# Altium PCB PCB.PcbDoc (continued)
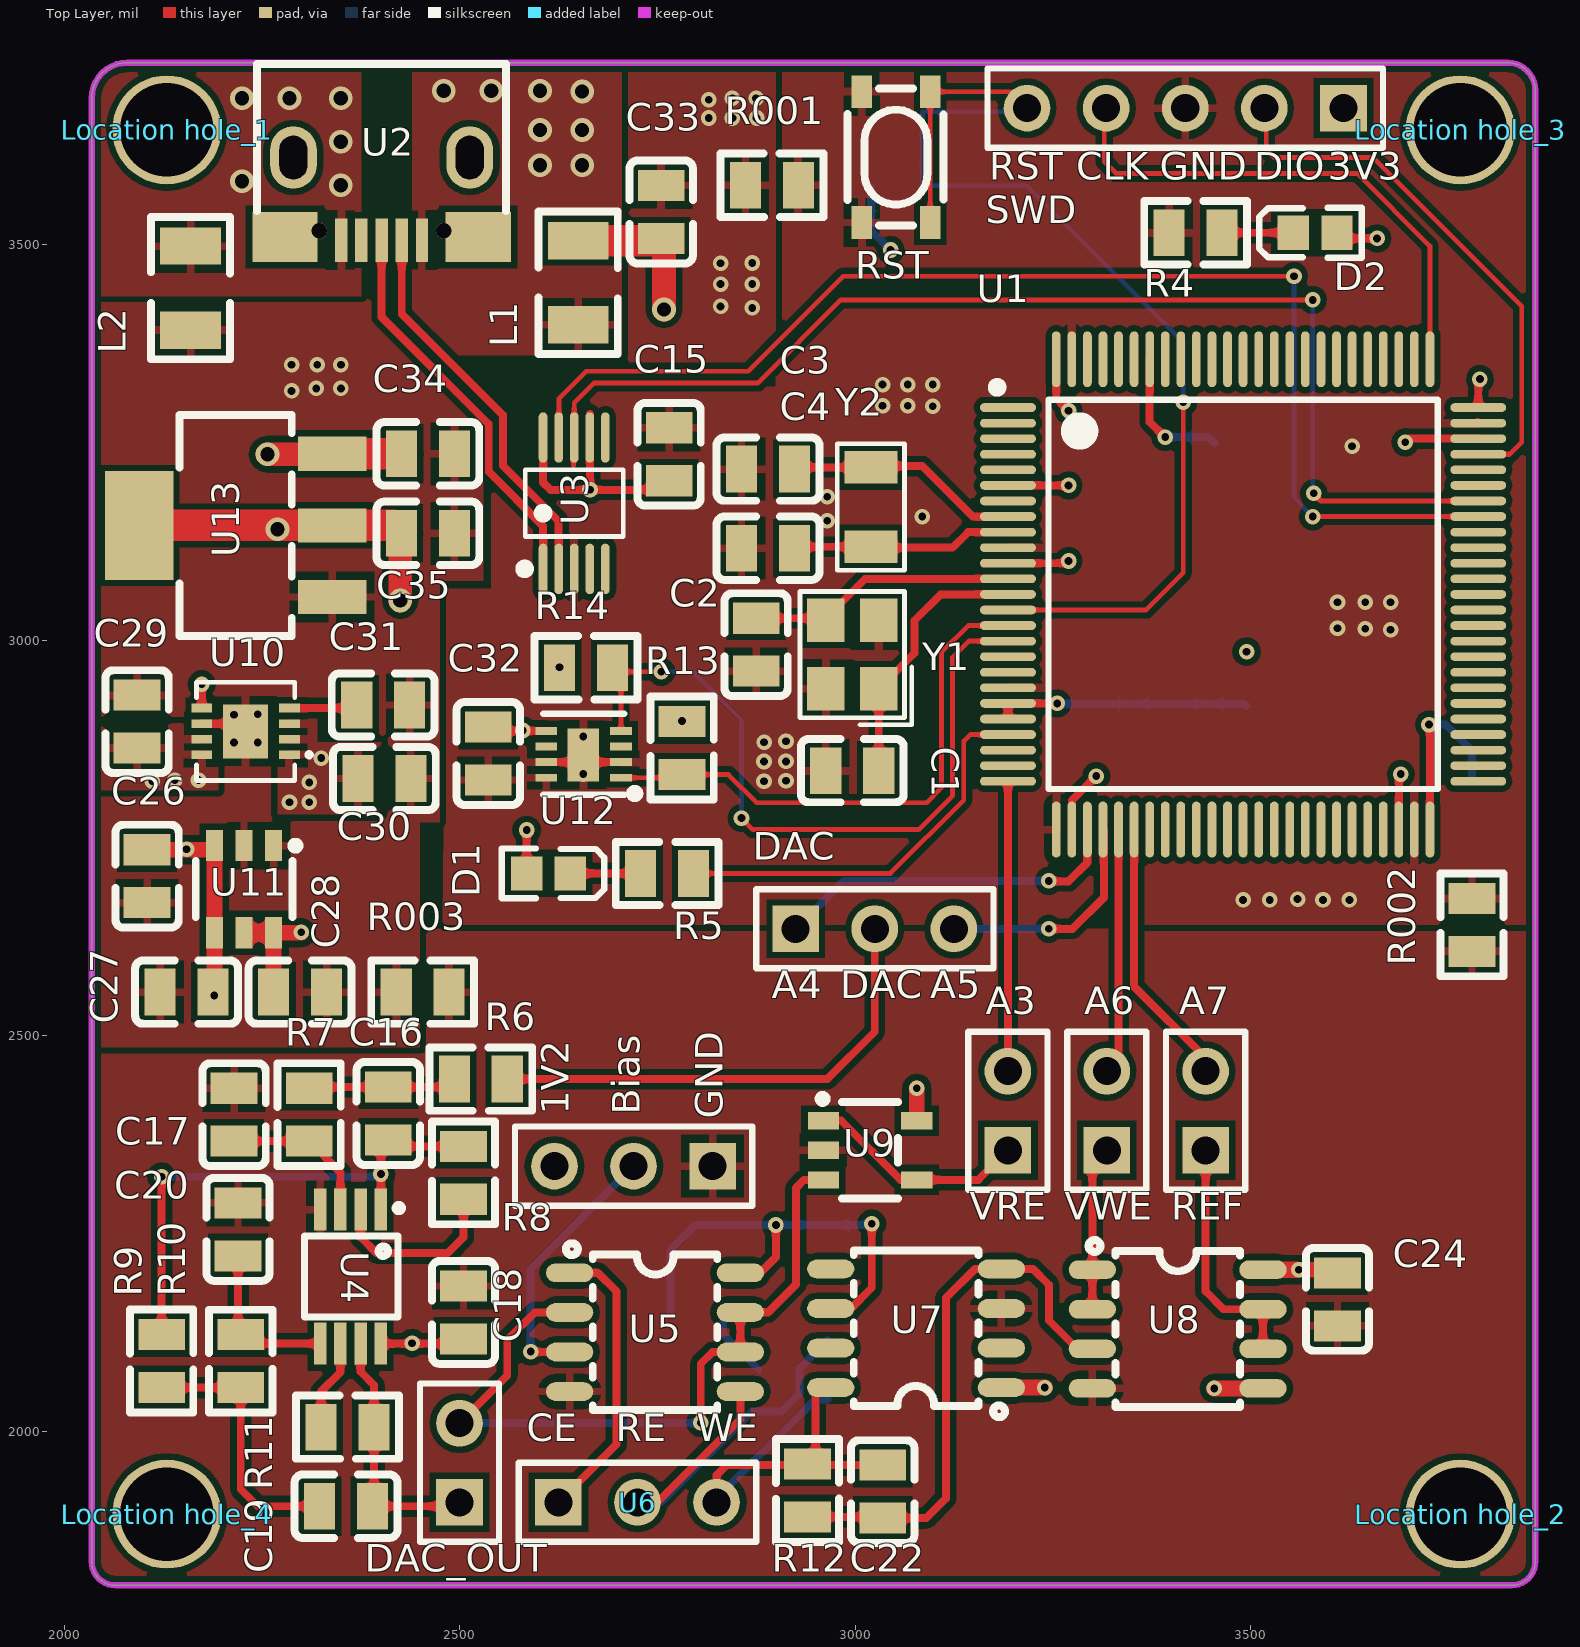
[diagram p0: Top Layer view]
## Design rules (kind name [scope] priority, off if disabled: settings)
Clearance [All] p1: gap=8 ignorepadtopadclearanceinfootprint=TRUE except(0: Arc-Hole Track-Hole SMDPad-Hole THPad-Hole Via-Hole Fill-Hole Poly-Hole Region-Hole Text-Hole)
PlaneClearance [All] p1: clearance=20
PlaneConnect [All] p1: planeconnectstyle=Relief reliefexpansion=20 reliefentries=4 reliefconductorwidth=10 reliefairgap=10
PolygonConnect PolygonConnect_G [IsVia] p1: connectstyle=Direct reliefconductorwidth=10 reliefentries=4 polygonreliefangle="90 Angle" airgapwidth=10
PolygonConnect PolygonConnect_1 [All] p2: connectstyle=Relief reliefconductorwidth=10 reliefentries=4 polygonreliefangle="90 Angle" airgapwidth=10
RoutingVias [All] p1: holewidth=28 width=50 viastyle="Through Hole" minholewidth=28 minwidth=50 maxholewidth=28 maxwidth=50
SolderMaskExpansion [All] p1: expansion=4
Width [All] p1: maxlimit=100 minlimit=1 preferedwidth=10 midlayer1_minwidth=10 midlayer1_maxwidth=10 minimp=50.000000 maximp=50.000000 favimp=50.000000
28 further rules are at their usual default settings.

## Components (designator, comment, footprint, x,y, rotation, side; value= is the part's Value field where it differs from the comment)
Bias "Header 3" HDR1X3 2820,2335 r180 top
BOOT "100K" RES_0805 3455,3215 r270 bottom
C1 "22pF" CAP_0805 2996.53,2835 r0 top
C2 "22pF" CAP_0805 2875,2994.17 r90 top
C3 "6pF" CAP_0805 2890,3216.19 r0 top
C4 "6pF" CAP_0805 2890,3116.19 r0 top
C5 "104" CAP_0805 3780,2790 r90 bottom
C6 "104" CAP_0805 3303.62,2791.53 r90 bottom
C7 "104" CAP_0805 3305,3105 r180 bottom
C8 "104" CAP_0805 3306.53,3200 r180 bottom
C9 "104" CAP_0805 3305,3295 r180 bottom
C10 "225" CAP_0805 3400,2951.53 r270 bottom
C11 "104" CAP_0805 3303.62,2952.8 r270 bottom
C12 "225" CAP_0805 3658.47,3249.84 r0 bottom
C13 "225" CAP_0805 3680,2795 r90 bottom
C14 "104" CAP_0805 3051.93,3667.89 r180 bottom
C15 "104" CAP_0805 2765,3234.93 r90 top
C16 "180pF" CAP_0805 2410,2401.53 r270 top
C17 "160pF" CAP_0805 2215,2400 r270 top
C18 "100nF" CAP_0805 2505,2150 r270 top
C19 "180pF" CAP_0805 2356.53,1905 r0 top
C20 "68pF" CAP_0805 2220,2255 r270 top
C21 "100nF" CAP_0805 2900,2295 r270 bottom
C22 "0.02uF" CAP_0805 3035,1923.46 r90 top
C23 "100nF" CAP_0805 3021.19,2295.56 r270 bottom
C24 "100nF" CAP_0805 3610,2166.53 r90 top
C25 "100nF" CAP_0805 3078.11,2466.93 r270 bottom
C26 "1uF" CAP_0805 2105,2701.53 r90 top
C27 "0.1uF" CAP_0805 2155,2555 r0 top
C28 "0.1uF" CAP_0805 2298.47,2555 r0 top
C29 "4.7uF" CAP_0805 2092.4,2896.93 r90 top
C30 "4.7uF" CAP_0805 2405,2825 r0 top
C31 "1nF" CAP_0805 2403.47,2917.99 r0 top
C32 "106" CAP_0805 2536.39,2856.53 r90 top
C33 "Cap2" CAP_0805 2755,3541.23 r90 top value=22uf
C34 "10uF" CAP_0805 2460,3235.55 r180 top
C35 "22uF" CAP_0805 2460,3135 r180 top
D1 "LED" DIODE_0603 2612.47,2705 r0 top
D2 "LED" DIODE_0603 3581.62,3515 r180 top
DAC "Header 3" HDR1X3 2925,2635 r0 top
DAC_OUT "Header 2" HDR1X2 2500,1910 r90 top
L1 "Inductor" RES_1206 2650,3451.85 r90 top value=10uH
L2 "Inductor" RES_1206 2160,3445 r270 top value=10uH
"Location hole_1" "Touch" "kong 3.5" 2125,3540 r90 top
"Location hole_2" "Touch" "kong 3.5" 3760,1790 r90 top
"Location hole_3" "Touch" "kong 3.5" 3760,3540 r90 top
"Location hole_4" "Touch" "kong 3.5" 2125,1790 r90 top
Q1 "MMBFJ177LT1G" SOT23-3 2822.86,2075.49 r0 bottom
R001 "0" RES_0805 2895,3575 r180 top
R1 "10R" RES_0805 3495,2950 r90 bottom
R002 "0" RES_0805 3780,2640 r270 top
R2 "10K" RES_0805 3053.47,3572.89 r180 bottom
R003 "0" RES_0805 2453.47,2555 r180 top
R4 "1K" RES_0805 3430.6,3515 r180 top
R5 "1K" RES_0805 2762.47,2705 r0 top
R6 "18.7K" RES_0805 2526.93,2445 r180 top
R7 "18.7K" RES_0805 2309.91,2400 r270 top
R8 "1K" RES_0805 2505,2326.53 r90 top
R9 "25.5K" RES_0805 2123.43,2088.47 r270 top
R10 "25.5K" RES_0805 2223.43,2088.46 r90 top
R11 "1K" RES_0805 2358.46,2005 r0 top
R12 "12K" RES_0805 2940,1925 r270 top
R13 "10K" RES_0805 2781.39,2863.46 r90 top
R14 "10K" RES_0805 2659.85,2965 r0 top
R33 "1K" RES_0805 2800,2150 r0 bottom value=1M (schematic designator R?)
REF "Header 2" HDR1X2 3443.27,2355 r90 top
RST "SW-PB" key3*3 3050.76,3768.92 r270 top
SWD "Header 5" HDR1X5 3617.5,3672.5 r180 top
U1 "STM32H750VBT6" LQFP-100 3568.04,3435.35 r270 top
U2 "U254-051T-4BH83-F1S" USB 2639.8,3603.11 r180 top
U3 "CH340E" MSOP-10_L3.0-W3.0-P0.50-LS5.0-BL 2620,3180.25 r90 top
U4 "MAX4477" uMAX-8 2352.23,2322.46 r270 top
U5 "LMP7702" SOIC-8 2769.37,2270.5 r270 top
U6 "电化学传感器" HDR1X3 2625,1910 r0 top
U7 "LMP7721" SOIC-8 3054.88,1984.5 r90 top
U8 "OPA2350UA" SOIC-8 3430.12,2274.52 r270 top
U9 "LMP7715MF" SOT-23-5 2860.31,2343.98 r0 top
U10 "ADM7171" LFCSP-8 2229.59,2784.68 r90 top
U11 "ADR3412" SOT-23-6 2222.59,2800.31 r270 top
U12 "SHT31" DFN-8_EP_3x3mm 2666.39,2730 r90 top
U13 "AMS1117" SOT-223 2001.69,3145.24 r0 top
VRE "Header 2" HDR1X2 3193.27,2355 r90 top
VWE "Header 2" HDR1X2 3318.27,2355 r90 top
Y1 "25Mhz" "SMD 3225" 2984.62,2834.83 r90 top
Y2 "32.768KHz" "SMD 3215-2P 32.768K" 3005.47,3070.34 r90 top

## Footprints (in the part's own frame and the unit in brackets; to place one, negate y for a bottom-side part, rotate by r counter-clockwise, add the part's x,y. Pads: shape width x height; smd on the part's side, far side on the other; paste and mask are expansions set on the pad)
CAP_0805 [mm]
  rect 1x1.5 smd: 1(-0.85,0) 2(0.85,0)
  silkscreen extent -1.65,-1.02 1.65,1.02, body extent -1.4,-0.69 1.4,0.56, height 0.8
DFN-8_EP_3x3mm [mm]
  rect 0.25x0.7 smd: 1(2.44,-0.959) 2(2.94,-0.959) 3(3.44,-0.959) 4(3.94,-0.959) 5(3.94,1.441) 6(3.44,1.441) 7(2.94,1.441) 8(2.44,1.441)
  rect 1.7x1 smd: 9(3.175,0.254)
  silkscreen extent 1.8,-1.53 4.49,1.54, body extent 1.92,-1.06 4.43,1.44, height 0.9
DIODE_0603 [mm]
  rect 1x1.1 smd: 1(-0.7,0) 2(0.7,0)
  silkscreen extent -1.5,-0.8 1.79,0.8, body extent -0.81,-0.4 0.81,0.4, height 0.6
HDR1X2 [mm] "Connector; Header; 2 Position"
  rect 1.5x1.5 hole 0.9: 1(0,0)
  round 1.5 hole 0.9: 2(2.54,0)
  silkscreen extent -1.27,-1.27 3.81,1.27
HDR1X3 [mm] "Connector; Header; 3 Position"
  rect 1.5x1.5 hole 0.9: 1(0,0)
  round 1.5 hole 0.9: 2(2.54,0) 3(5.08,0)
  silkscreen extent -1.27,-1.27 6.35,1.27
HDR1X5 [mm] "Connector; Header; 5 Position"
  rect 1.5x1.5 hole 0.9: 1(0,0)
  round 1.5 hole 0.9: 2(2.54,0) 3(5.08,0) 4(7.62,0) 5(10.16,0)
  silkscreen extent -1.27,-1.27 11.43,1.27
key3*3 [mm]
  rect 1.05x0.65 smd: 1(1.922,1.126) 1(6.122,1.126) 2(1.922,-1.074) 2(6.122,-1.074)
  silkscreen extent 1.82,-1.52 6.22,1.55, body extent 1.64,-1.57 6.24,1.63, height 2.5
"kong 3.5" [mm]
  round 3.5 hole 3: 7(2.667,-0.127)
LFCSP-8 [mm]
  rect 1.74x1.45 smd: 0(2.536,0)
  rect 0.28x0.665 smd: 1(1.786,-1.407) 2(2.286,-1.407) 3(2.786,-1.407) 4(3.286,-1.407) 5(3.286,1.407) 6(2.786,1.407) 7(2.286,1.407) 8(1.786,1.407)
  silkscreen extent 0.96,-2.12 4.11,1.58, body extent 1.04,-1.51 4.04,1.51, height 0.8
LQFP-100 [mm]
  oval 0.28x1.796 smd: 1(3.591,-9.516) 2(4.091,-9.516) 3(4.591,-9.516) 4(5.091,-9.516) 5(5.591,-9.516) 6(6.091,-9.516) 7(6.591,-9.516) 8(7.091,-9.516) 9(7.591,-9.516) 10(8.091,-9.516) 11(8.591,-9.516) 12(9.091,-9.516) 13(9.591,-9.516) 14(10.091,-9.516) 15(10.591,-9.516) 16(11.091,-9.516) 17(11.591,-9.516) 18(12.091,-9.516) 19(12.591,-9.516) 20(13.091,-9.516) 21(13.591,-9.516) 22(14.091,-9.516) 23(14.591,-9.516) 24(15.091,-9.516) 25(15.591,-9.516) 51(15.591,5.584) 52(15.091,5.584) 53(14.591,5.584) 54(14.091,5.584) 55(13.591,5.584) 56(13.091,5.584) 57(12.591,5.584) 58(12.091,5.584) 59(11.591,5.584) 60(11.091,5.584) 61(10.591,5.584) 62(10.091,5.584) 63(9.591,5.584) 64(9.091,5.584) 65(8.591,5.584) 66(8.091,5.584) 67(7.591,5.584) 68(7.091,5.584) 69(6.591,5.584) 70(6.091,5.584) 71(5.591,5.584) 72(5.091,5.584) 73(4.591,5.584) 74(4.091,5.584) 75(3.591,5.584)
  oval 1.796x0.28 smd: 26(17.141,-7.966) 27(17.141,-7.466) 28(17.141,-6.966) 29(17.141,-6.466) 30(17.141,-5.966) 31(17.141,-5.466) 32(17.141,-4.966) 33(17.141,-4.466) 34(17.141,-3.966) 35(17.141,-3.466) 36(17.141,-2.966) 37(17.141,-2.466) 38(17.141,-1.966) 39(17.141,-1.466) 40(17.141,-0.966) 41(17.141,-0.466) 42(17.141,0.034) 43(17.141,0.534) 44(17.141,1.034) 45(17.141,1.534) 46(17.141,2.034) 47(17.141,2.534) 48(17.141,3.034) 49(17.141,3.534) 50(17.141,4.034) 76(2.041,4.034) 77(2.041,3.534) 78(2.041,3.034) 79(2.041,2.534) 80(2.041,2.034) 81(2.041,1.534) 82(2.041,1.034) 83(2.041,0.534) 84(2.041,0.034) 85(2.041,-0.466) 86(2.041,-0.966) 87(2.041,-1.466) 88(2.041,-1.966) 89(2.041,-2.466) 90(2.041,-2.966) 91(2.041,-3.466) 92(2.041,-3.966) 93(2.041,-4.466) 94(2.041,-4.966) 95(2.041,-5.466) 96(2.041,-5.966) 97(2.041,-6.466) 98(2.041,-6.966) 99(2.041,-7.466) 100(2.041,-7.966)
  silkscreen extent 2.79,-10.02 15.84,4.28, body extent 1.59,-9.97 17.59,6.03, height 1.5
MSOP-10_L3.0-W3.0-P0.50-LS5.0-BL [mm]
  oval 1.62x0.28 smd: 1(-2.292,0.365) 2(-2.292,-0.135) 3(-2.292,-0.635) 4(-2.292,-1.135) 5(-2.292,-1.635) 6(1.928,-1.635) 7(1.928,-1.135) 8(1.928,-0.635) 9(1.928,-0.135) 10(1.928,0.365)
  silkscreen extent -2.44,-2.21 0.89,1.11, body extent -2.77,-2.14 2.26,0.87, height 1.05
RES_0805 [mm]
  rect 1x1.5 smd: 1(-0.85,0) 2(0.85,0)
  silkscreen extent -1.65,-1.02 1.65,1.02, body extent -1.4,-0.63 1.4,0.63, height 0.8
RES_1206 [mm]
  rect 1.2x1.95 smd: 1(-1.35,0) 2(1.35,0)
  silkscreen extent -2.29,-1.27 2.29,1.27, body extent -2.27,-0.8 2.27,0.8, height 1.25
"SMD 3215-2P 32.768K" [mm]
  rect 1.05x1.7 smd: 1(1.211,-0.369) 2(3.761,-0.369)
  silkscreen extent 0.46,-1.45 4.51,0.71, body extent 0.89,-1.12 4.09,0.38, height 0.9
"SMD 3225" [mm]
  rect 1.4x1.2 smd: 1(2.63,-1.153) 2(4.83,-1.153) 3(4.83,0.547) 4(2.63,0.547)
  silkscreen extent 1.47,-2.21 5.76,1.38, body extent 2.13,-1.55 5.33,0.95, height 0.81
SOIC-8 [mil]
  oval 23.62x59.76 smd: 1(70.5,-130.12) 2(120.5,-130.12) 3(170.5,-130.12) 4(220.5,-130.12) 5(220.5,85.63) 6(170.5,85.63) 7(120.5,85.63) 8(70.5,85.63)
  silkscreen extent 33,-135 244,56, body extent 49,-138 241,98, height 67
SOT23-3 [mil]
  rect 40.85x20.95 smd: 1(142.14,-39.32) 2(142.14,35.49) 3(55.42,-1.91)
  silkscreen extent 65,-62 133,58, body extent 48,-61 152,57, height 43
SOT-23-5 [mm]
  rect 1x0.55 smd: 1(2.532,1.23) 2(2.532,0.28) 3(2.532,-0.67) 4(5.532,-0.67) 5(5.532,1.23)
  silkscreen extent 2.38,-1.27 4.93,2.06, body extent 2.81,-1.22 5.31,1.78, height 1.08
SOT-23-6 [mm]
  rect 1x0.55 smd: 1(1.526,1.077) 2(1.526,0.127) 3(1.526,-0.823) 4(4.326,-0.823) 5(4.326,0.127) 6(4.326,1.077)
  silkscreen extent 1.4,-1.42 3.83,1.91, body extent 1.52,-1.32 4.32,1.58, height 1.45
SOT-223 [mm]
  rect 2.2x1.1 smd: 1(8.568,-2.306) 2(8.568,-0.006) 3(8.568,2.294)
  rect 2.2x3.5 smd: 2(2.37,-0.006)
  silkscreen extent 3.67,-3.56 7.27,3.54, body extent 2.09,-3.25 9.09,3.25, height 1.65
uMAX-8 [mm]
  rect 1.349x0.4 smd: 1(1.08,1.229) 2(1.078,0.578) 3(1.079,-0.071) 4(1.078,-0.722) 5(5.379,-0.722) 6(5.382,-0.071) 7(5.379,0.578) 8(5.382,1.23)
  silkscreen extent 0.93,-1.22 4.53,1.9, body extent 0.55,-1.22 5.55,1.78, height 0.95
USB [mm]
  rect 0.4x1.4 smd: 1(4.755,2.475) 2(5.405,2.475) 3(6.055,2.475) 4(6.705,2.475) 5(7.355,2.475)
  rect 2.1x1.6 smd: 6(9.155,2.375) 7(2.955,2.375)
  oval 1.5x1.999 hole 0.9 slot 1.4 at 90 deg: 8(3.225,-0.175) 9(8.885,-0.175)
  round 0.5 hole 0.5 unplated: ""(4.055,2.175) ""(8.055,2.175)
  silkscreen extent 2.05,-3.17 10.05,1.54, body extent 1.77,-2.85 10.42,3.05, height 2.87

## Part data
Bias DAC: "Header, 3-Pin", LatestRevisionDate=17-Jul-2002, LatestRevisionNote="Re-released for DXP Platform.", Publisher="Altium Limited"
BOOT R13 R14 R33: library part Res2, "Resistor", LatestRevisionDate=17-Jul-2002, LatestRevisionNote="Re-released for DXP Platform.", PackageReference=AXIAL-0.4, Published=8-Jun-2000, Publisher="Altium Limited"
  BOOT: PackageDescription="Axial Device, Thru-Hole; 2 Leads; 0.4 in Pin Spacing"
C1 C2 C3 C4 C5 C6 C7 C8 C9 C10 C11 C12 C13 C14 C15 C16 C17 C18 C19 C20 C21 C22 C23 C24 C25: library part 电容
C26 C27 C28 C29 C30 C31 C32: library part Cap
C33: "Capacitor", PackageDescription="Capacitor; 2 Leads", PackageReference=CAPR5-4X5, Published=23-Sep-2002, Publisher="Altium Limited"
C34 C35: library part Cap, "Capacitor", LatestRevisionDate=17-Jul-2002, LatestRevisionNote="Re-released for DXP Platform.", PackageDescription="Radial Cap, Thru-Hole; 2 Leads; 0.3 in Pin Spacing", PackageReference=RAD-0.3, Published=8-Jun-2000, Publisher="Altium Limited"
DAC_OUT REF VRE VWE: "Header, 2-Pin", LatestRevisionDate=17-Jul-2002, LatestRevisionNote="Re-released for DXP Platform.", Publisher="Altium Limited"
R001 R002 R003: library part Res1, "Resistor"
R1 R2 R4 R5 R6 R7 R8 R9 R10 R11 R12: library part 电阻
RST: "Switch", LatestRevisionDate=17-Jul-2002, LatestRevisionNote="Re-released for DXP Platform.", PackageDescription="Switch; 2 Leads", PackageReference=SPST-2, Published=24-Mar-1999, Publisher="Altium Limited"
SWD: "Header, 5-Pin", LatestRevisionDate=17-Jul-2002, LatestRevisionNote="Re-released for DXP Platform.", Publisher="Altium Limited"
U2: BOM_Manufacturer="XKB Enterprise", BOM_Manufacturer Part=U254-051T-4BH83-F1S, BOM_Supplier=LCSC, BOM_Supplier Part=C397452, Contributor=LCSC, spicePre=U, spiceSymbolName=U254-051T-4BH83-F1S
U3: library part CH340-E
U10: library part ADM7172
Y1: library part XTAL_3225, "3225贴片无源晶振"
Y2: library part XTAL, "普通晶振", LatestRevisionDate=17-Jul-2002, LatestRevisionNote="Re-released for DXP Platform.", Published=8-Jun-2000, Publisher="Altium Limited"
L1 L2: Code_IEC=1005, Code_JEITA=0402, LatestRevisionDate=29-May-2009, LatestRevisionNote="IPC-7351 Footprint Added.", PackageDescription="Chip Inductor", PackageReference=0402-A, Published=8-Jun-2000, Publisher="Altium Limited"

## Via types
v1: diameter 19.68, hole 9.84, Top Layer to Bottom Layer, 100 vias
v2: diameter 30, hole 18, Top Layer to Bottom Layer, 18 vias

## Nets (pads, with @x,y where several pads share a name; then routed paths per layer and width w, separated by ;. In a path a pad name is that pad's centre, name@x,y a point inside that pad or via, vN(x,y) a via of type N, cw(c..) or ccw(c..) an arc to the next point about the centre after c; other vN are vias at no path point)
1V2: Bias.3 C28.1 U7.1 U8.5 U11.5 U11.6 | length 263.9
  Top Layer w20: U11.5 U11.6 ; C28.1 U11.6 ; v1@2299.8,2630 U11.6 ; U7.1 v1(3240,2055) ; v1(3454.02,2054.02) U8.5
  other v1: 2299.8,2630.56
3V3: C21.2 C23.2 C24.2 C25.2 C26.2 C27.2 C30.1 R33.1 U5.8 U7.6 U8.8 U9.5 U10.1 U10.2 U10.3 U11.3 U11.4 | length 995.1
  Top Layer w10: U5.8 2880,2200 2900,2220 v1(2900,2260.56) ; U7.6 2995,2155 3021.19,2181.19 v1(3021.19,2262.09)
  Top Layer w20: C26.2 2184.96,2735 U11.3 U11.4 2190.2,2556.73 C27.2 ; U9.5 v1(3078.11,2433.46) ; U8.8 v1(3560.86,2204.02) 3605.98,2204.02 C24.2
  Bottom Layer w10: R33.1 2766.54,2228.85 2798.25,2260.56 v1(2900,2260.56) 3019.66,2260.56 v1(3021.19,2262.09)
  other v1: 2190,2550.56 2155,2735.56 2285.09,2795.1 2310.09,2795.1 2310.09,2820.1 2325.09,2850.86
3V3-MCU: C5.2 C6.2 C7.2 C8.2 C9.2 C15.1 C32.2 C35.2 D1.1 D2.1 R1.2 R2.2 R13.2 R14.1 SWD.1 U1.6 U1.11 U1.27 U1.50 U1.75 U1.100 U3.7 U3.10 U12.5 U13.2 | length 1597.1
  Top Layer w10: C32.2 2541.26,2885.13 U12.5 ; D1.1 v1(2584.91,2759.91) ; U3.10 2605.63,3199.37 2615,3190 v1(2665,3190) ; U3.7@2664.68,3285.89 2665,3285.57 v1(2665,3190) ; C15.1 2753.53,3190 v1(2665,3190) ; U1.11 3267.13,3097.13 v1(3270,3100) ; U1.6 v1(3270,3195.56) ; U1.100 3254.41,3305.59 v1(3270,3290) ; U1.27 3274.09,2797.13 v1(3305,2828.04) ; D2.1 3616.42,3507.76 v1(3660,3507.76) ; v1(3725.68,2893.2) 3726.85,2892.03 U1.50 ; U1.75 3787.87,3327.87 v1(3790,3330)
  Top Layer w30: v2(2425,3050) 2425,3133.47 C35.2
  Top Layer w40: U13.2@2095,3145 2339,3145 2416.53,3145 C35.2
  Bottom Layer w10: R2.2 3019.99,3518.16 v1(3045,3493.15) ; v1(3725.68,2893.2) 3746.8,2893.2 3780,2860 C5.2
  other v1: 2580,2885.69 2781.39,2897.62 2626.39,2965.69 3495,2985.39
  other v2: 2270,3140
AGND: Bias.1 C17.1 C18.1 C20.1 C21.1 C23.1 C24.1 C25.1 R002.2 R003.1 U4.4 U5.4 U7.3 U8.4 U9.2
AVCC_5V: C18.2 C29.1 C33.1 C34.2 L1.2 U4.8 U10.5 U10.7 U10.8 U13.3 | length 521.5
  Top Layer w10: C29.1 C29.1@2106.28,2863.47 ; C29.1@2100,2851.06 C29.1@2103.94,2855 ; U10.5 v1(2174.17,2944.17) ; U4.8 2499.03,2110.56 C18.2
  Top Layer w30: v2(2257.23,3234.93) 2338.38,3234.93 U13.3 ; v2(2758.47,3417.89) C33.1@2758.47,3505
  Top Layer w40: U13.3 C34.2 ; L1.2 C33.1@2758.47,3505
  other v1: 2440,2111.12 2111.61,2821.54 2140,2823.07 2170,2823.07
BOOT0: BOOT.1 U1.94 | length 173.2
  Top Layer w10: U1.94 3372.52,3275.82 v1@3392.2,3256.14
  Bottom Layer w10: v1(3392.2,3256.7) 3446.76,3256.7 BOOT.1
DAC_IN: DAC.2 R6.1 | length 619.5
  Top Layer w10: R6.1 2965,2445 3025,2505 DAC.2
DAC_OUT: C19.2 DAC_OUT.1 R11.2 U4.7 | length 325.6
  Top Layer w10: U4.7 2374.98,2075.02 2391.93,2058.07 R11.2 2391.93,1906.93 C19.2 2495,1905 DAC_OUT.1
DGND: BOOT.2 C1.1 C2.1 C3.1 C4.1 C5.1 C6.1 C7.1 C8.1 C9.1 C10.1 C11.1 C12.1 C13.1 C14.2 C15.2 C32.1 R001.1 R002.1 R4.2 RST.2 SWD.3 U1.10 U1.19 U1.26 U1.49 U1.74 U1.99 U3.3 U12.2 U12.7 U12.8 U12.9 Y1.2 Y1.4 | length 96.1
  Top Layer w10: U12.7 U12.2 ; U1.74@3786.7,3275.47 U1.74
  other v1: 3490.63,2671.56 3524.28,2671.56 3591.67,2671.56 3625,2671.56 3559.53,2672.53 2884.93,2821.54 2912.78,2822.05 2656.39,2830.56 2884.93,2846.49 2912.78,2846.69 2885,2870.83 2912.78,2872.04 2656.39,2877.98 3677.14,3013.12 3645,3014.38 3610,3015 3610,3047.91 3645,3047.91 3677.14,3047.91 2965,3150.92 3085,3156.19 2965,3181.14 3628.43,3245 3034.8,3296.22 3066.71,3296.3 3098.24,3295.68 3034.8,3323.04 3066.71,3323.04 3098.24,3323.04
G: L2.1 U2.5
  other v2: 2350,3575 2225,3580 2350,3630 2225,3685 2285,3685 2350,3685
GND: C26.1 C27.1 C28.2 C29.2 C30.2 C31.2 C33.2 C34.1 C35.1 L2.2 R001.2 R003.2 U10.0 U10.6 U11.1 U11.2 U13.1 | length 59.5
  Top Layer w10: U10.6 2219.74,2894.37 U10.0
  other v1: 2215,2870.56 2245,2870.56 2215,2905.56 2245,2906.12 2287.68,3315 2318.79,3318.15 2350,3318.15 2287.68,3348.15 2320.09,3348.15 2350,3348.15 2870,3420 2830,3421.84 2830,3450 2870,3450 2830,3476.53 2870,3476.76 2815,3660 2845,3660.07 2875.53,3660.07 2815,3683.15 2845,3685.05 2875,3685.05
NetBias_2: Bias.2 U5.3 | length 337.5
  Top Layer w10: v1@2590,2100 U5.3
  Bottom Layer w10: v1(2590,2100.56) 2590,2205 Bias.2
NetC16_1: C16.1 R6.2 R7.1 | length 188.3
  Top Layer w10: R7.1 2311.45,2435 C16.1 2483.47,2435 R6.2
NetC16_2: C16.2 R8.2 R9.1 U4.1 | length 668.6
  Top Layer w10: R9.1 v1(2123.43,2321.57) ; U4.1 v1(2400.61,2325) 2400.61,2358.68 C16.2 2418.07,2360 R8.2
  Bottom Layer w10: v1(2123.43,2321.57) 2397.18,2321.57 v1(2400.61,2325)
NetC17_2: C17.2 R7.2 U4.3 | length 197.8
  Top Layer w10: C17.2 R7.2 2349.42,2327.02 U4.3
NetC19_1: C19.1 R9.2 R10.1 | length 337
  Top Layer w10: R9.2 R10.1 2223.43,1926.58 2245,1905 C19.1
NetC20_2: C20.2 R10.2 U4.5 | length 206
  Top Layer w10: C20.2 2220,2125.36 R10.2 2234.66,2110.69 U4.5
NetC22_1: C22.1 R12.2 U7.4 U8.3 | length 707.8
  Top Layer w10: R12.2 3033.47,1891.53 C22.1 3090,1890 3115,1915 3115,2168.47 3151.53,2205 U7.4 3225,2205 3245,2185 3245,2140 3280.98,2104.02 U8.3
NetC31_1: C31.1 U10.4 | length 86.6
  Top Layer w10: U10.4 2366.06,2914.06 C31.1
NetD1_2: D1.2 R5.1 | length 89
  Top Layer w10: D1.2 R5.1
NetD2_2: D2.2 R4.1 | length 90
  Top Layer w10: R4.1 D2.2
NetQ1_3: Q1.3 R33.2 | length 91.2
  Bottom Layer w10: R33.2 2833.47,2122.22 Q1.3
NetR8_1: R8.1 U4.2 | length 229.6
  Top Layer w10: U4.2 2375,2245 2395,2225 2485,2225 2505,2245 R8.1
NetR11_1: R11.1 U4.6 | length 115.7
  Top Layer w10: R11.1 2325,2050 2349.45,2074.45 U4.6
NetREF_1: REF.1 U8.6 U8.7 | length 310.2
  Top Layer w10: REF.1 3443.27,2176.73 3465.98,2154.02 U8.7 U8.6
NetU5_1: U5.1 U6.1 | length 365.8
  Top Layer w10: U6.1 2698.32,1983.32 2698.32,2176.68 2675,2200 U5.1
NetU8_1: U8.1 U8.2 VWE.1 | length 208.5
  Top Layer w10: U8.2 U8.1 3300,2336.73 VWE.1
NetU9_1: U9.1 U9.4 VRE.1 | length 279.7
  Top Layer w10: U9.1 2982.6,2392.4 3057.4,2317.6 U9.4 3155.87,2317.6 VRE.1
NRST: C14.1 R2.1 RST.1 SWD.5 U1.14 | length 1467.4
  Top Layer w6: RST.1@3095.07,3527.89 3095.07,3693.25 3196.75,3693.25 SWD.5 ; U1.14 3368.07,3038.07 3415,3085 v1@3415,3300
  Bottom Layer w6: SWD.5 3212.89,3667.89 C14.1 3085.39,3574.42 3216.96,3574.42 3415,3376.38 v1(3415,3300.56)
OPA_IN: DAC_OUT.2 U5.2 U5.6 U5.7 U9.3 | length 955.1
  Top Layer w10: DAC_OUT.2 2560.39,2070.39 2560.39,2115.39 2595,2150 U5.2 ; v1(2805,2010.56) 2805,2085 2820,2100 U5.6 U5.7 2890,2150 2925.28,2185.28 2925.28,2307.28 2935.6,2317.6 U9.3
  Bottom Layer w10: DAC_OUT.2 v1@2805,2010
OSC_IN_H: C2.2 U1.12 Y1.3 | length 339
  Top Layer w10: C2.2 Y1.3@2960.43,3027.64 ; Y1.3 2963.07,3027.64 3012.87,3077.44 U1.12
OSC_IN_L: C3.2 U1.8 Y2.2 | length 294.8
  Top Layer w10: C3.2@2925.68,3218.4 3005,3218.4 3006.6,3220 3085,3220 3148.81,3156.19 U1.8
OSC_OUT_H: C1.2 U1.13 Y1.1 | length 340.3
  Top Layer w10: C1.2 Y1.1 3075,2983.39 3075,3024.53 3108.23,3057.76 U1.13
OSC_OUT_L: C4.2 U1.9 Y2.1 | length 276.7
  Top Layer w10: C4.2@2925.28,3118.01 Y2.1 3021.19,3116.82 3123.32,3116.82 3143,3136.5 U1.9
PA0: R5.2 U1.22 | length 514
  Top Layer w6: R5.2 3044.8,2705 3137.32,2797.52 3137.32,2872.32 3145.59,2880.59 U1.22
PA3: U1.25 VRE.2 | length 366.6
  Top Layer w10: VRE.2 3193.39,2455.12 U1.25
PA4: DAC.1 U1.28 | length 445.5
  Top Layer w10: v1@3245,2695 3270,2695 3293.78,2718.78 U1.28
  Bottom Layer w10: DAC.1 2985.56,2695.56 v1(3245,2695.56)
PA5: DAC.3 U1.29 | length 292.4
  Top Layer w10: v1(3245,2635) 3275,2635 3314.64,2674.64 3314.64,2759.34 U1.29
  Bottom Layer w10: DAC.3 v1(3245,2635)
PA6: U1.30 VWE.2 | length 311.7
  Top Layer w10: VWE.2 3333.15,2469.88 U1.30
PA7: REF.2 U1.31 | length 343
  Top Layer w10: U1.31 3352.83,2562.17 3443.27,2471.73 REF.2
PA9: U1.68 U3.9 | length 1555.7
  Top Layer w6: U3.9 2625.84,3256.67 2625.84,3305.84 2660,3340 2865,3340 2985,3460 v1(3555,3460) ; v1(3578.81,3156.19) U1.68
  Bottom Layer w6: 3555,3450 3555,3180 v1(3578.81,3156.19)
PA10: U1.69 U3.8 | length 1523.7
  Top Layer w6: 2644.16,3220.53 U3.8@2644.16,3256.14 ; U3.8 2645,3300 2670,3325 2877,3325 2982,3430 v1(3578.81,3430) ; v1@3580,3185 3589.13,3175.87 U1.69
  Bottom Layer w6: v1(3578.81,3430) 3578.81,3186.75 v1(3580,3185.56)
PC0: R13.1 U1.15 U12.1 | length 698.7
  Top Layer w6: U12.1 2777.46,2826.07 R13.1 2840,2830 2875.53,2794.47 3090.47,2794.47 3109.32,2813.32 3109.32,2984.7 3143.01,3018.39 U1.15
PC1: R14.2 U1.16 U12.4 | length 925.5
  Top Layer w6: R14.2 R14.2@2698.32,2960 ; U12.4 2704.14,2954.18 R14.2@2698.32,2960 ; v1(2755,2960) R14.2@2698.32,2960 ; v1(2856.53,2775) 2871.01,2760.52 3080.52,2760.52 3123.32,2803.32 3123.32,2978.32 3143.7,2998.7 U1.16
  Bottom Layer w6: 2765,2960 2795,2960 2856.53,2898.47 v1(2856.53,2775)
RE: Q1.1 U5.5 U6.2 | length 551.9
  Top Layer w10: U6.2 2750,1910 2855,2015 U5.5
  Bottom Layer w10: U6.2 2755,1910 2870,2025 2906.96,2025 2930,2048.04 2930,2079.8 Q1.1
SWDCLK: SWD.4 U1.76 | length 669.4
  Top Layer w6: SWD.4@3302.5,3670 3315,3657.5 3315,3605 3330,3590 3635,3590 3726.85,3498.15 U1.76
SWDIO: SWD.2 U1.72 | length 695.6
  Top Layer w6: SWD.2@3502.5,3670 3520,3652.5 3520,3620 3530,3610 3655,3610 3843,3422 3843,3250 3827.93,3234.93 U1.72
UD+: U2.3 U3.1 | length 470.5
  Top Layer w10: U2.3 2401.41,3408.59 2537,3273 2537,3213 2605.63,3144.37 U3.1@2605.63,3119.75
UD-: U2.2 U3.2 | length 468.1
  Top Layer w10: U2.2 2427.01,3412.4 2555,3284.4 2555,3220.46 2625.32,3150.14 U3.2@2625.32,3119.75
VCAP_1: C13.2 U1.48 | length 71.1
  Top Layer w10: U1.48 3687.48,2828.04 v1(3690,2830.56)
VCAP_2: C12.2 U1.73 | length 94.1
  Top Layer w10: v1(3695.7,3250) 3700.31,3254.61 U1.73
VDDA: C10.2 C11.2 R1.1 U1.20 U1.21 | length 322.5
  Top Layer w10: U1.21 U1.20 3255.6,2919.96 v1(3255.67,2919.89)
  Bottom Layer w10: v1@3255.67,2919.33 C11.2 3492.21,2919.33 R1.1
VIN: L1.1 U2.1
  other v2: 2601.61,3600.18 2655,3600.18 2601.61,3645 2655,3645 2655,3693.48 2480.15,3694.64 2540,3694.64 2601.61,3694.64
WE: C22.2 Q1.2 R12.1 U6.3 U7.8 | length 566.2
  Top Layer w10: U6.3 2825,1944.25 2837.68,1956.93 C22.2 ; R12.1 2950,1968.46 2950,2055 U7.8
  Bottom Layer w10: U6.3 2825,1915 2950,2040 Q1.2
pads on no net: "Location hole_1.7" "Location hole_2.7" "Location hole_3.7" "Location hole_4.7" U1.1 U1.2 U1.3 U1.4 U1.5 U1.7 U1.17 U1.18 U1.23 U1.24 U1.32 U1.33 U1.34 U1.35 U1.36 U1.37 U1.38 U1.39 U1.40 U1.41 U1.42 U1.43 U1.44 U1.45 U1.46 U1.47 U1.51 U1.52 U1.53 U1.54 U1.55 U1.56 U1.57 U1.58 U1.59 U1.60 U1.61 U1.62 U1.63 U1.64 U1.65 U1.66 U1.67 U1.70 U1.71 U1.77 U1.78 U1.79 U1.80 U1.81 U1.82 U1.83 U1.84 U1.85 U1.86 U1.87 U1.88 U1.89 U1.90 U1.91 U1.92 U1.93 U1.95 U1.96 U1.97 U1.98 U2. U2.4 U2.6 U2.7 U2.8 U2.9 U3.4 U3.5 U3.6 U7.2 U7.5 U7.7 U12.3 U12.6

## Polygon pours and split planes (outlines as drawn)
AGND on Top Layer "G" (solid, remove dead copper, pour order 36): 2047.24,2485 2047.24,1810 3850,1810 3855,1805 3860,1810 3860,2635 2465,2635 2457.59,2627.59 2457.59,2480
DGND on Top Layer "G" (solid, remove dead copper, pour order 30): 2478.66,2640 3217.5,2640 3860,2640 3860,3725 2900,3725 2900,3320 2541.26,3320 2540,3318.74 2540,3065 2483.47,3065
GND on Top Layer "G" (solid, remove dead copper, pour order 24): 2035,2485 2450,2485 2450,2770 2475,2770 2475,3075 2530,3075 2530,3330 2900,3330 2900,3735 2040,3735 2035,3730
VIN on Top Layer "G" (solid, remove dead copper, pour order 8): 2440,3475 2440,3725 2705,3725 2705,3360 2438.47,3360
G on Top Layer "G" (solid, remove dead copper, pour order 2): 2035,3435 2375.82,3435 2375.82,3730 2035,3730
AVCC_5V on Top Layer "G" (solid, remove dead copper, pour order 18): 2035,2895 2195,2895 2195,2810 2035,2810
3V3 on Top Layer "G" (solid, remove dead copper, pour order 12): 2270,2900.28 2270,2780 2405,2780 2405,2870.56 2320.56,2870.56 2320,2870 2320,2900.28
no net on Top Layer "G" (solid, remove dead copper, pour order 0): 2110,3430
AGND on Bottom Layer "G" (solid, remove dead copper, pour order 40): 2455,2635 2460,2630 2460,2480 2052.24,2480 2047.24,2475 2047.24,1800 3850,1800 3855,1805 3850,1810 3850,2630.56
DGND on Bottom Layer "G" (solid, remove dead copper, pour order 34): 2905,3730 2905,3325 2895,3315 2891.85,3318.15 2545.62,3318.15 2545.62,3065 2480,3065 2480,2637.52 2482.48,2640 3860,2640 3860,3720 3855,3725
GND on Bottom Layer "G" (solid, remove dead copper, pour order 28): 2025,3730 2035,3720 2035,2485 2445,2485 2450,2490 2450,2770 2480,2770 2480.15,2770.15 2480.15,3075 2530,3075 2530,3330 2900,3330 2900,3735
AVCC_5V on Bottom Layer "G" (solid, remove dead copper, pour order 22): 2047.23,2890 2047.23,2810 2195,2810 2195,2890
3V3 on Bottom Layer "G" (solid, remove dead copper, pour order 14): 2270,2905 2270,2780 2405,2780 2405,2870.56 2320,2870.56 2320,2905
VIN on Bottom Layer "G" (solid, remove dead copper, pour order 10): 2440,3717.76 2440,3365 2700,3365 2705,3360 2705,3717.77
G on Bottom Layer "G" (solid, remove dead copper, pour order 4): 2375,3720 2375,3435 2045,3435 2045,3720
DGND on GND "G" (solid, remove dead copper, pour order 32): 2895,3730 2900,3725 2900,3318.15 2541.85,3318.15 2545,3315 2545,3066.58 2486.58,3066.58 2480.15,3060.15 2480.15,2643.58 2480,2643.42 2483.42,2640 3860,2640 3860,3725
AGND on GND "G" (solid, remove dead copper, pour order 38): 2455,2635 2455,2485 2047.24,2485 2047.24,1812.24 2045,1810 3860,1810 3860,2635
GND on GND "G" (solid, remove dead copper, pour order 26): 2035,3730 2035,2485 2450,2485 2450,2770 2480,2770 2480.15,2770.15 2480.15,3075 2530,3075 2530,3330 2900,3330 2900,3735
3V3 on VCC (split plane): 2455.92,2670 2456.23,2668.44 2457.12,2667.12 2458.44,2666.23 2460,2665.92 3839.9,2665.92 3839.9,1835 3839.94,1834.64 3839.65,1832.42 3838.65,1830.01 3837.06,1827.94 3834.99,1826.35 3832.58,1825.35 3830.36,1825.06 3830,1825.1 2065,1825.1 2064.64,1825.06 2062.42,1825.35 2060.01,1826.35 2057.94,1827.94 2056.35,1830.01 2055.35,1832.42 2055.06,1834.64 2055.1,1835 2055.1,2070.92 2540,2070.92 2541.56,2071.23 2542.88,2072.12 2543.77,2073.44 2544.08,2075 2544.08,2155 2543.77,2156.56 2542.88,2157.88 2541.56,2158.77 2540,2159.08 2124.08,2159.08 2124.08,2780.92 2208.16,2780.92 2209.72,2781.23 2211.04,2782.12 2211.96,2783.04 2212.85,2784.36 2213.16,2785.92 2213.16,3005.92 2455.92,3005.92
G on VCC (split plane): 2080,3709.9 2430.92,3709.9 2430.92,3439.08 2055.1,3439.08 2055.1,3685 2055.06,3685.42 2055.33,3688.91 2056.25,3692.72 2057.75,3696.34 2059.79,3699.68 2062.34,3702.66 2065.32,3705.21 2068.66,3707.25 2072.28,3708.75 2076.09,3709.67 2079.58,3709.94
AVCC_5V on VCC (split plane): 2965.92,3319.08 2555,3319.08 2553.44,3318.77 2552.12,3317.88 2551.23,3316.56 2550.92,3315 2550.92,3189.08 2209.08,3189.08 2207.52,3188.77 2206.19,3187.88 2205.31,3186.56 2205,3185 2205,3010 2205,2789.08 2120,2789.08 2118.44,2788.77 2117.12,2787.88 2116.23,2786.56 2115.92,2785 2115.92,2155 2116.23,2153.44 2117.12,2152.12 2118.44,2151.23 2120,2150.92 2535.92,2150.92 2535.92,2079.08 2055.1,2079.08 2055.1,3430.92 2430.92,3430.92 2430.92,3360 2431.23,3358.44 2432.12,3357.12 2433.44,3356.23 2435,3355.92 2705,3355.92 2706.56,3356.23 2707.88,3357.12 2708.77,3358.44 2709.08,3360 2709.08,3450 2708.77,3451.56 2707.88,3452.88 2707.41,3453.2 2707.52,3453.77 2707.21,3455.33 2706.32,3456.65 2705,3457.54 2703.44,3457.85 2595.31,3457.85 2595.31,3555.92 2702.12,3555.92 2703.68,3556.23 2705,3557.12 2705.88,3558.44 2706.19,3560 2706.19,3709.9 2965.92,3709.9
1V2 on VCC (split plane): 2340.92,2468.61 2341.23,2467.05 2342.12,2465.73 2343.44,2464.85 2345,2464.54 2809.36,2464.54 2809.36,2115 2809.67,2113.44 2810.56,2112.12 2811.88,2111.23 2813.44,2110.92 3550.92,2110.92 3550.92,2024.08 2719.08,2024.08 2719.08,2278.44 2718.77,2280 2718.33,2280.66 2717.88,2281.32 2716.32,2282.88 2715,2283.77 2713.44,2284.08 2217.24,2284.08 2217.24,2650.92 2340.92,2650.92
VIN on VCC (split plane): 2698.04,3564.08 2591.23,3564.08 2589.67,3563.77 2588.35,3562.88 2587.46,3561.56 2587.15,3560 2587.15,3453.77 2587.46,3452.21 2588.35,3450.88 2589.67,3450 2591.23,3449.69 2700.92,3449.69 2700.92,3364.08 2439.08,3364.08 2439.08,3709.9 2698.04,3709.9
3V3-MCU on VCC (split plane): 3827.92,3709.68 3830.73,3708.83 3833.32,3707.45 3835.59,3705.59 3837.45,3703.32 3838.83,3700.73 3839.68,3697.92 3839.94,3695.35 3839.93,3695.24 3839.9,3695 3839.9,2674.08 2464.08,2674.08 2464.08,3010 2463.77,3011.56 2462.88,3012.88 2461.56,3013.77 2460,3014.08 2213.16,3014.08 2213.16,3180.92 2555,3180.92 2556.56,3181.23 2557.88,3182.12 2558.77,3183.44 2559.08,3185 2559.08,3310.92 2970,3310.92 2971.56,3311.23 2972.88,3312.12 2973.77,3313.44 2974.08,3315 2974.08,3709.9 3825,3709.9 3825.35,3709.94

## Keep-outs
Keep-Out Layer:
  lines w8: 2035,1835 ccw(c2065,1835) 2065,1805 2085,1805 3830,1805 ccw(c3830,1835) 3860,1835 3860,3695 ccw(c3825,3695) 3825,3730 2080,3730 ccw(c2080,3685) 2035,3685 2035,1835

## Other copper
VCC (plane layer: these items are gaps in the copper):
  lines w8: 2035,3435 2435,3435 ; 2045,2075 2540,2075 2540,2155 2120,2155 2120,2785 2208.16,2785 2209.08,2785.92 2209.08,3010 ; 2435,3725 2435,3360 2705,3360 2705,3450 ; 2702.12,3725 2702.12,3560 2591.23,3560 2591.23,3453.77 2703.44,3453.77 ; 2970,3730 2970,3315 2555,3315 2555,3185 2209.08,3185 2209.08,3010 ; 3860,2670 2460,2670 2460,3010 2209.08,3010 ; 2213.16,2280 2505,2280 2713.44,2280 2715,2278.44 2715,2020 3555,2020 3555,2115 2851.88,2115 2813.44,2115 2813.44,2468.61 2758.47,2468.61 2656.39,2468.61 2345,2468.61 2345,2655 2213.16,2655 2213.16,2280

## Silkscreen, mask and mechanical layers (free items; w line width, h text height)
Top Overlay:
  text "RST" at 3170,3570 h60
  text "CLK" at 3280,3570 h60
  text "GND" at 3385,3570 h60
  text "DIO" at 3505,3570 h60
  text "3V3" at 3597.37,3570 h60
  text "A4" at 2895,2535 h60
  text "DAC" at 2981.53,2535 h60
  text "A5" at 3095,2535 h60
  text "A3" at 3165,2515 h60
  text "A6" at 3290,2515 h60
  text "A7" at 3410,2515 h60
  text "1V2" at 2650.25,2400 h60 r90
  text "GND" at 2845,2395 h60 r90
  text "CE" at 2584.91,1975 h60
  text "RE" at 2697.47,1975 h60
  text "WE" at 2800,1975 h60
Mechanical 1:
  lines w8: 2035,1835 2035,3685 cw(c2080,3685) 2080,3730 3825,3730 cw(c3825,3695) 3860,3695 3860,1835 cw(c3830,1835) 3830,1805 2065,1805 ; 2035,1840 ccw(c2067.5,1837.5) 2065,1805 ; 2245,1805 2065,1805